# Altium PCB BGA_ACUity.PcbDoc (part 2 of 6)
Units mm, origin at the board's own origin, x right, y up, seen from the top; angles counter-clockwise.
Board outline 100 x 100.02 mm, 4 copper layers (TopSignal, Ground, Power, BottomSignal), stack 1.564 mm thick; 445 components, 325 nets, 2065 pads, 376 vias.
Unrouted connection lines stored in the file: 419.
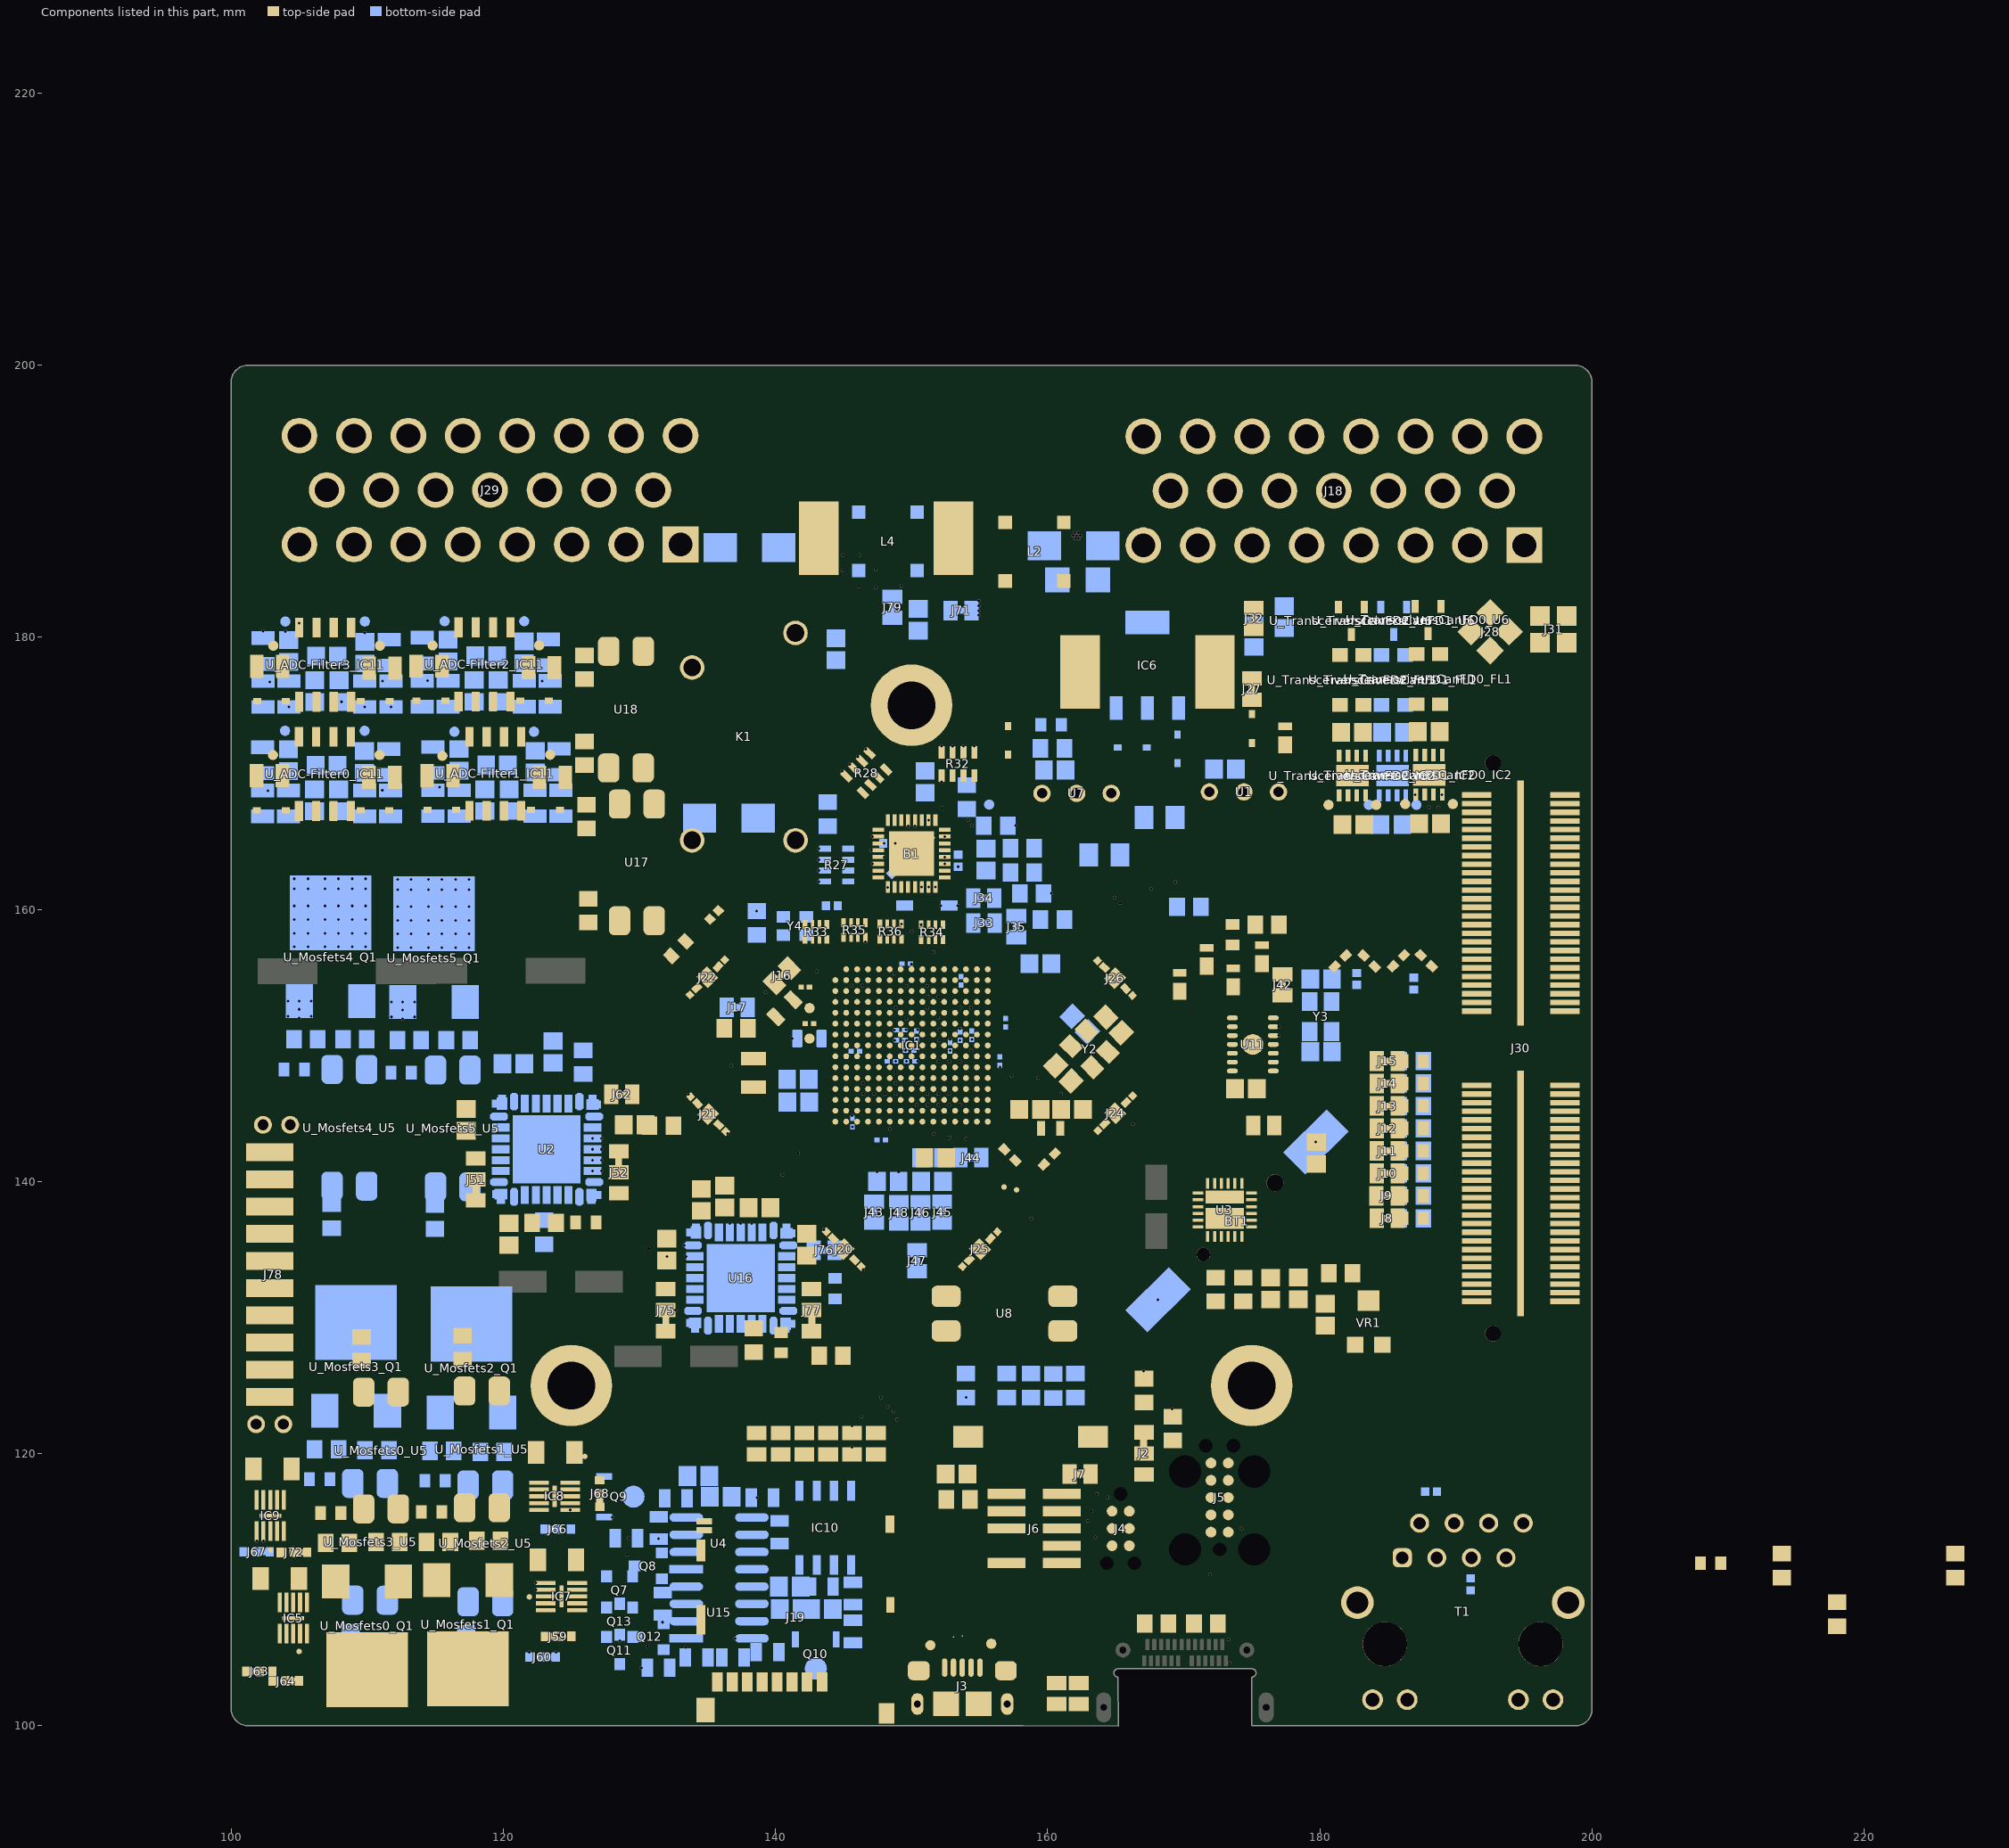
[diagram p4: the components of this part, seen from the top]

## Components (designator, comment, footprint, x,y, rotation, side; value= is the part's Value field where it differs from the comment) (continued)
J45 "A solder Bridge" "Solder Bridge 805" 152.25,137.75 r270 bottom
J46 "A solder Bridge" "Solder Bridge 805" 150.65,137.7 r90 bottom
J47 "A solder Bridge" "Solder Bridge 805" 150.4,134.175 r90 bottom
J48 "A solder Bridge" "Solder Bridge 805" 149.075,137.7 r90 bottom
J49 "A solder Bridge" "Solder Bridge 805 Open" 175.877,144.123 r0 top
J51 "A solder Bridge" "Solder Bridge 805 switch" 118,139.375 r90 top
J52 "A solder Bridge" "Solder Bridge 805 switch" 128.475,141.449 r270 top
J53 "A solder Bridge" "Solder Bridge 805 Open" 147.375,120.725 r90 top
J54 "A solder Bridge" "Solder Bridge 805 Open" 145.625,120.725 r90 top
J55 "A solder Bridge" "Solder Bridge 805 Open" 143.875,120.725 r90 top
J56 "A solder Bridge" "Solder Bridge 805 Open" 142.125,120.725 r90 top
J57 "A solder Bridge" "Solder Bridge 805 Open" 140.375,120.725 r90 top
J58 "A solder Bridge" "Solder Bridge 805 Open" 138.625,120.725 r90 top
J59 "A solder Bridge" "Solder Bridge 402 switch" 124.06,105.283 r0 top
J60 "A solder Bridge" "Solder Bridge 402 switch" 122.86,103.759 r180 bottom
J62 "A solder Bridge" "Solder Bridge 805" 128.7,146.4 r180 top
J63 "A solder Bridge" "Solder Bridge 402 switch" 102.11,102.707 r0 top
J64 "A solder Bridge" "Solder Bridge 402 switch" 103.992,104.588 r180 top
J66 "A solder Bridge" "Solder Bridge 402 switch" 124.028,115.748 r0 bottom
J67 "A solder Bridge" "Solder Bridge 402 switch" 101.852,111.49 r180 bottom
J68 "A solder Bridge" "Solder Bridge 402 switch" 128.383,117.099 r90 top
J69 "10 MΩ" "Solder Bridge 805 Open" 162.287,102.375 r90 top
J70 "47 nF" "Solder Bridge 805 Open" 160.669,102.375 r90 top
J71 "A solder Bridge" "Solder Bridge 805" 153.641,181.961 r0 bottom
J72 "A solder Bridge" "Solder Bridge 402 switch" 104.586,114.036 r180 top
J75 "A solder Bridge" "Solder Bridge 805 switch" 131.95,129.775 r90 top
J76 "A solder Bridge" "Solder Bridge 805" 143.575,134.95 r180 bottom
J77 "A solder Bridge" "Solder Bridge 805 switch" 142.675,129.775 r90 top
J78 "UMPS-10-05.5-G-V-S-W-TR" SAMTEC_UMPS-10-05.5-G-V-S-W-TR 102.845,133.163 r270 top
J79 "A solder Bridge" "Solder Bridge 805" 148.59,182.194 r270 bottom
K1 "T77S1D3-05" RELAY4_1-1393194-0_TEC 141.52,165.075 r90 bottom
L1 "5.6uH, 8.7A" WE-PD_1280 167.335,177.444 r270 top
L2 "IND_LPD6235" IND_LPD6235 158.902,186.284 r0 top
L3 "5.6uH, 8.7A" WE-PD_1280 148.133,187.274 r270 top locked
L4 "IND_LPD6235" IND_LPD6235 148.387,187.046 r180 bottom
MTH1 "Mounting_Hole_3.5mm" Mounting_Hole_3.5mm 150,175 r0 top
MTH2 "Mounting_Hole_3.5mm" Mounting_Hole_3.5mm 125,125 r0 top
MTH3 "Mounting_Hole_3.5mm" Mounting_Hole_3.5mm 175,125 r0 top
Q7 "MMBTA42LT1G" ONSC-SOT-23-3-318-08_V 128.549,109.975 r270 bottom
Q8 "MMBT4403LT1G" ONSC-SOT-23-3-318-08_V 130.65,111.753 r180 bottom
Q9 "VN3205" FP-TN2510N8-G-IPC_C 129.253,116.833 r0 bottom
Q10 "VN3205" FP-TN2510N8-G-IPC_C 142.969,104.514 r270 bottom
Q11 "MMBTA42LT1G" ONSC-SOT-23-3-318-08_V 128.549,105.53 r270 bottom
Q12 "MMBT4403LT1G" ONSC-SOT-23-3-318-08_V 130.777,106.546 r180 bottom
Q13 "MMBTA42LT1G" ONSC-SOT-23-3-318-08_V 128.549,107.689 r270 bottom
R1 "10k" "RES 0805_2012" 167.081,124.638 r90 top value="10 kOhms"
R2 "5.1 kOhms" "RES 0805_2012" 168,107.5 r0 top
R3 "1.5k" "RES 0805_2012" 169.189,121.844 r270 top value="1.5 kOhms"
R4 "5.1 kOhms" "RES 0805_2012" 171.628,107.518 r180 top
R5 "4.7k" "RES 0805_2012" 153.416,116.637 r180 top value="4.7 kOhms"
R6 "30k" "RES 0805_2012" 156.993,125 r270 bottom value="30 kOhms"
R7 "150" "RES 0805_2012" 154,125 r270 bottom value="150 Ohms"
R8 "150" "RES 0805_2012" 158.786,125 r270 bottom value="150 Ohms"
R9 "150" "RES 0805_2012" 160.413,124.967 r270 bottom value="150 Ohms"
R10 "150" "RES 0805_2012" 162.036,125 r270 bottom value="150 Ohms"
R11 "LEDS" "RES 0805_2012" 186.723,137.297 r180 bottom
R12 "LEDS" "RES 0805_2012" 186.723,138.948 r180 bottom
R13 "LEDS" "RES 0805_2012" 186.723,140.599 r180 bottom
R14 "LEDS" "RES 0805_2012" 186.723,142.25 r180 bottom
R15 "LEDS" "RES 0805_2012" 186.723,143.901 r180 bottom
R16 "LEDS" "RES 0805_2012" 186.723,145.552 r180 bottom
R17 "LEDS" "RES 0805_2012" 186.723,147.203 r180 bottom
R18 "LEDS" "RES 0805_2012" 186.723,148.854 r180 bottom
R19 "10 kOhms" "RES 0805_2012" 158.144,162.7 r180 bottom
R20 "1 kOhms" "RES 0805_2012" 158.14,164.49 r180 bottom
R21 "49.9 Ohms" "RES 0402_1005" 185.775,156.225 r45 top
R22 "49.9 Ohms" "RES 0402_1005" 187.825,156.225 r135 top
R23 "49.9 Ohms" "RES 0402_1005" 183.625,156.2 r135 top
R24 "49.9 Ohms" "RES 0402_1005" 181.5,156.2 r45 top
R25 "1 kOhms" "RES 0805_2012" 158.825,161.175 r0 bottom
R26 "1 kOhms" "RES 0805_2012" 143.85,167 r270 bottom
R27 "10k" "RESNET 1206-8 CONVEX" 144.5,163.25 r0 bottom
R28 "10k" "RESNET 1206-8 CONVEX" 146.675,170.025 r135 top
R29 "1 kOhms" "RES 0805_2012" 138.625,159 r270 bottom
R30 "18.2 kOhms" "RES 0805_2012" 154.05,168.25 r90 bottom
R31 "1.82 kOhms" "RES 0805_2012" 156.191,166.157 r180 bottom
R32 "10k" "RESNET 1206-8 CONVEX" 153.416,170.688 r270 top
R33 "33R" "RESNET 0804-8 CONVEX" 142.975,158.345 r270 top
R34 "33R" "RESNET 0804-8 CONVEX" 151.507,158.327 r270 top
R35 "33R" "RESNET 0804-8 CONVEX" 145.804,158.484 r270 top
R36 "33R" "RESNET 0804-8 CONVEX" 148.463,158.369 r270 top
R37 "1 kOhms" "RES 0805_2012" 176.121,158.864 r180 top
R38 "10 kOhms" "RES 0805_2012" 160.35,159.25 r180 bottom
R39 "4.7k" "RES 0805_2012" 123,136.275 r270 bottom value="4.7 kOhms"
R40 "1 kOhms" "RES 0805_2012" 170.383,160.198 r180 bottom
R41 "16 mOhms" "RES 1206_3216" 123.952,112.192 r0 top
R42 "4.7k" "RES 0805_2012" 125.875,148.767 r90 bottom value="4.7 kOhms"
R43 "4.7k" "RES 0805_2012" 123,136.95 r180 top value="4.7 kOhms"
R47 "LEDS" "RES 0805_2012" 137.109,151.257 r0 top
R48 "2.2 kOhms" "RES 0402_1005" 157.225,141.95 r315 top
R49 "2.2 kOhms" "RES 0402_1005" 160.125,141.65 r225 top
R50 "1 kOhms" "RES 0805_2012" 160.35,171.831 r180 bottom
R51 "10 kOhms" "RES 0805_2012" 181.534,133.256 r0 top
R52 "470" RESC2013X50X30LL20T20 139.04,116.764 r0 bottom
R53 "16 mOhms" "RES 1206_3216" 103.581,110.82 r0 top
R54 "16 mOhms" "RES 1206_3216" 123.825,120.091 r180 top
R55 "16 mOhms" "RES 1206_3216" 103.045,118.872 r180 top
R56 "10 kOhms" "RES 0805_2012" 174.359,132.057 r90 top
R57 "10 kOhms" "RES 0805_2012" 226.683,111.771 r90 top
R58 "10 kOhms" "RES 0805_2012" 213.942,111.771 r90 top
R59 "1 MOhms" "RES 0805_2012" 218.001,108.202 r90 top
R68 "10 kOhms" "RES 0805_2012" 172.345,132.056 r90 top
R69 "4.7k" "RES 0805_2012" 131.625,144.114 r180 top value="4.7 kOhms"
R70 "10k" RESC2013X50X30LL20T20 131.412,114.547 r90 bottom
R71 "10k" RESC2013X50X30LL20T20 132.682,116.706 r0 bottom
R72 "10k" RESC2013X50X30LL20T20 129.057,113.785 r0 bottom
R73 "4.3" RESC2013X50X30LL20T20 140.302,114.229 r270 bottom
R74 "10k" RESC2013X50X30LL20T20 139.413,105.403 r180 bottom
R75 "10k" RESC2013X50X30LL20T20 136.873,105.022 r180 bottom
R76 "10K" RESC2013X50X30LL20T20 145.694,106.927 r90 bottom
R77 "10k" RESC2013X50X30LL20T20 131.724,108.959 r270 bottom
R78 "4.3" RESC2013X50X30LL20T20 134.206,105.022 r0 bottom
R79 "10K" RESC2013X50X30LL20T20 145.694,109.721 r90 bottom
R80 "10k" RESC2013X50X30LL20T20 131.412,104.26 r180 bottom
R89 "4.7k" "RES 0805_2012" 144.083,127.189 r180 top value="4.7 kOhms"
R90 "4.7k" "RES 0805_2012" 138.409,128.337 r90 top value="4.7 kOhms"
R92 "10 kOhms" "RES 0805_2012" 126.238,159.907 r270 top
R93 "10 kOhms" "RES 0805_2012" 125.974,171.471 r270 top
R94 "1 kOhms" "RES 0805_2012" 126.111,166.827 r90 top
R95 "1 kOhms" "RES 0805_2012" 125.974,177.795 r90 top
S1 "1437566-4" 14375664 158.75,121.25 r0 top
T1 "74990111215A" 74990111215A 190.5,106 r0 top
TP1 "TestPad" "Test Pad Small"#1 155.86,106.033 r90 top
TP2 "TestPad" "Test Pad Miniscule" 153.727,106.602 r90 top
TP3 "TestPad" "Test Pad Miniscule" 153.087,106.52 r90 top
TP4 "TestPad" "Test Pad Small"#1 151.384,105.918 r90 top
TP14 "TestPad" "Test Pad Small"#2 155.7,167.7 r90 top
TP15 "TestPad" "Test Pad Small"#1 142.5,150.507 r90 top
TP16 "TestPad" "Test Pad Small"#1 142.5,152.744 r90 top
TP17 "TestPad" "Test Pad Extra Small"#1 121.92,109.474 r90 top
TP20 "TestPad" "Test Pad Extra Small"#2 104.553,105.462 r180 top
TP23 "TestPad" "Test Pad Extra Small"#1 125.998,119.794 r270 top
TP24 "TestPad" "Test Pad Extra Small"#1 102.912,112.912 r90 top
TP26 "TestPad" "Test Pad Extra Small"#1 157.717,139.385 r90 top
TP28 "TestPad" "Test Pad Extra Small"#1 156.794,139.598 r90 top
U1 "TSR 1-2450" TSR1-SINGLE_TRP 176.962,168.631 r180 top locked
U2 "MC33926PNBR2" PQFN80P525X800X100_HS-29N 123.19,142.367 r270 bottom
U3 "PTPS259830LNRGER" VQFN24_RGE_TEX 173.011,137.904 r180 top
U4 "NE555DR" FP-D0008A-IPC_A 135.857,113.404 r0 bottom
U7 "TSR 1-2450" TSR1-SINGLE_TRP 164.668,168.529 r180 top locked
U8 "PC817" PC817 156.829,130.295 r0 top
U11 "MCP2515_1" MCP2515 177.386,147.433 r180 top
U15 "NE555DR" FP-D0008A-IPC_A 135.857,108.324 r0 bottom
U16 "MC33926PNBR2" PQFN80P525X800X100_HS-29N 137.45,132.9 r270 bottom
U17 "PC817" PC817 129.819,163.449 r270 top
U18 "PC817" PC817 129.019,174.682 r270 top
U_ADC-Filter0_C78 "0.047µF" "CAP 0805_2012"#1 107.906,168.007 r270 bottom (schematic designator C78)
U_ADC-Filter0_C79 "0.047µF" "CAP 0805_2012"#1 104.223,170.966 r90 bottom (schematic designator C79)
U_ADC-Filter0_C80 "0.047µF" "CAP 0805_2012"#1 109.811,170.839 r90 bottom (schematic designator C80)
U_ADC-Filter0_C81 "0.1uF" "CAP 0805_2012"#1 107.017,170.585 r180 bottom value=100nF (schematic designator C81)
U_ADC-Filter0_C88 "0.047µF" "CAP 0805_2012"#1 106.128,168.007 r270 bottom (schematic designator C88)
U_ADC-Filter0_D22 "1N4148WS-7-F" DIOD-SOD323-2-A_V 110.573,167.283 r180 top (schematic designator D22)
U_ADC-Filter0_D23 "1N4148WS-7-F" DIOD-SOD323-2-A_V 102.953,167.283 r0 top (schematic designator D23)
U_ADC-Filter0_IC11 "MCP6052-E_SN" SOIC127P600X175-8N 106.89,169.95 r90 top (schematic designator IC11)
U_ADC-Filter0_R81 "R0805" RES_0805 111.081,169.696 r180 top (schematic designator R81)
U_ADC-Filter0_R82 "R0805" RES_0805 102.826,169.823 r180 top (schematic designator R82)
U_ADC-Filter0_R83 "R0805" RES_0805 109.811,167.791 r270 bottom (schematic designator R83)
U_ADC-Filter0_R84 "R0805" RES_0805 104.223,167.791 r90 bottom (schematic designator R84)
U_ADC-Filter0_R85 "R0805" RES_0805 111.716,167.791 r90 bottom (schematic designator R85)
U_ADC-Filter0_R86 "R0805" RES_0805 111.589,170.839 r90 bottom (schematic designator R86)
U_ADC-Filter0_R87 "R0805" RES_0805 102.318,170.966 r270 bottom (schematic designator R87)
U_ADC-Filter0_R88 "R0805" RES_0805 102.318,167.791 r90 bottom (schematic designator R88)
U_ADC-Filter0_TP29 "TestPad" "Test Pad Small"#1 109.811,173.125 r90 bottom (schematic designator TP29)
U_ADC-Filter0_TP30 "TestPad" "Test Pad Small"#1 103.969,173.125 r90 bottom (schematic designator TP30)
U_ADC-Filter0_TP31 "TestPad" "Test Pad Small"#2 110.917,171.347 r90 bottom locked (schematic designator TP31)
U_ADC-Filter0_TP32 "TestPad" "Test Pad Small"#1 103.08,171.347 r90 top (schematic designator TP32)
U_ADC-Filter1_C78 "0.047µF" "CAP 0805_2012"#1 120.435,168.024 r270 bottom (schematic designator C78)
U_ADC-Filter1_C79 "0.047µF" "CAP 0805_2012"#1 116.752,170.983 r90 bottom (schematic designator C79)
U_ADC-Filter1_C80 "0.047µF" "CAP 0805_2012"#1 122.34,170.856 r90 bottom (schematic designator C80)
U_ADC-Filter1_C81 "0.1uF" "CAP 0805_2012"#1 119.546,170.602 r180 bottom value=100nF (schematic designator C81)
U_ADC-Filter1_C88 "0.047µF" "CAP 0805_2012"#1 118.657,168.024 r270 bottom (schematic designator C88)
U_ADC-Filter1_D22 "1N4148WS-7-F" DIOD-SOD323-2-A_V 123.102,167.3 r180 top (schematic designator D22)
U_ADC-Filter1_D23 "1N4148WS-7-F" DIOD-SOD323-2-A_V 115.482,167.3 r0 top (schematic designator D23)
U_ADC-Filter1_IC11 "MCP6052-E_SN" SOIC127P600X175-8N 119.419,169.967 r90 top (schematic designator IC11)
U_ADC-Filter1_R81 "R0805" RES_0805 123.61,169.713 r180 top (schematic designator R81)
U_ADC-Filter1_R82 "R0805" RES_0805 115.355,169.84 r180 top (schematic designator R82)
U_ADC-Filter1_R83 "R0805" RES_0805 122.34,167.808 r270 bottom (schematic designator R83)
U_ADC-Filter1_R84 "R0805" RES_0805 116.752,167.808 r90 bottom (schematic designator R84)
U_ADC-Filter1_R85 "R0805" RES_0805 124.245,167.808 r90 bottom (schematic designator R85)
U_ADC-Filter1_R86 "R0805" RES_0805 124.118,170.856 r90 bottom (schematic designator R86)
U_ADC-Filter1_R87 "R0805" RES_0805 114.847,170.983 r270 bottom (schematic designator R87)
U_ADC-Filter1_R88 "R0805" RES_0805 114.847,167.808 r90 bottom (schematic designator R88)
U_ADC-Filter1_TP29 "TestPad" "Test Pad Small"#1 122.257,173.059 r90 bottom locked (schematic designator TP29)
U_ADC-Filter1_TP30 "TestPad" "Test Pad Small"#1 116.415,173.059 r90 bottom locked (schematic designator TP30)
U_ADC-Filter1_TP31 "TestPad" "Test Pad Small"#2 123.446,171.364 r90 bottom (schematic designator TP31)
U_ADC-Filter1_TP32 "TestPad" "Test Pad Small"#1 115.526,171.281 r90 top locked (schematic designator TP32)
U_ADC-Filter2_C78 "0.047µF" "CAP 0805_2012"#1 119.634,176.058 r270 bottom (schematic designator C78)
U_ADC-Filter2_C79 "0.047µF" "CAP 0805_2012"#1 115.951,179.017 r90 bottom (schematic designator C79)
U_ADC-Filter2_C80 "0.047µF" "CAP 0805_2012"#1 121.539,178.89 r90 bottom (schematic designator C80)
U_ADC-Filter2_C81 "0.1uF" "CAP 0805_2012"#1 118.745,178.636 r180 bottom value=100nF (schematic designator C81)
U_ADC-Filter2_C88 "0.047µF" "CAP 0805_2012"#1 117.856,176.058 r270 bottom (schematic designator C88)
U_ADC-Filter2_D22 "1N4148WS-7-F" DIOD-SOD323-2-A_V 122.301,175.334 r180 top (schematic designator D22)
U_ADC-Filter2_D23 "1N4148WS-7-F" DIOD-SOD323-2-A_V 114.681,175.334 r0 top (schematic designator D23)
U_ADC-Filter2_IC11 "MCP6052-E_SN" SOIC127P600X175-8N 118.618,178.001 r90 top (schematic designator IC11)
U_ADC-Filter2_R81 "R0805" RES_0805 122.809,177.747 r180 top (schematic designator R81)
U_ADC-Filter2_R82 "R0805" RES_0805 114.554,177.874 r180 top (schematic designator R82)
U_ADC-Filter2_R83 "R0805" RES_0805 121.539,175.842 r270 bottom (schematic designator R83)
U_ADC-Filter2_R84 "R0805" RES_0805 115.951,175.842 r90 bottom (schematic designator R84)
U_ADC-Filter2_R85 "R0805" RES_0805 123.444,175.842 r90 bottom (schematic designator R85)
U_ADC-Filter2_R86 "R0805" RES_0805 123.317,178.89 r90 bottom (schematic designator R86)
U_ADC-Filter2_R87 "R0805" RES_0805 114.046,179.017 r270 bottom (schematic designator R87)
U_ADC-Filter2_R88 "R0805" RES_0805 114.046,175.842 r90 bottom (schematic designator R88)
U_ADC-Filter2_TP29 "TestPad" "Test Pad Small"#1 121.539,181.176 r90 bottom (schematic designator TP29)
U_ADC-Filter2_TP30 "TestPad" "Test Pad Small"#1 115.697,181.176 r90 bottom (schematic designator TP30)
U_ADC-Filter2_TP31 "TestPad" "Test Pad Small"#2 122.645,179.398 r90 bottom (schematic designator TP31)
U_ADC-Filter2_TP32 "TestPad" "Test Pad Small"#1 114.808,179.398 r90 top (schematic designator TP32)
U_ADC-Filter3_C78 "0.047µF" "CAP 0805_2012"#1 107.93,176.038 r270 bottom locked (schematic designator C78)
U_ADC-Filter3_C79 "0.047µF" "CAP 0805_2012"#1 104.247,178.997 r90 bottom locked (schematic designator C79)
U_ADC-Filter3_C80 "0.047µF" "CAP 0805_2012"#1 109.835,178.87 r90 bottom locked (schematic designator C80)
U_ADC-Filter3_C81 "0.1uF" "CAP 0805_2012"#1 107.041,178.616 r180 bottom locked value=100nF (schematic designator C81)
U_ADC-Filter3_C88 "0.047µF" "CAP 0805_2012"#1 106.152,176.038 r270 bottom locked (schematic designator C88)
U_ADC-Filter3_D22 "1N4148WS-7-F" DIOD-SOD323-2-A_V 110.597,175.314 r180 top locked (schematic designator D22)
U_ADC-Filter3_D23 "1N4148WS-7-F" DIOD-SOD323-2-A_V 102.977,175.314 r0 top locked (schematic designator D23)
U_ADC-Filter3_IC11 "MCP6052-E_SN" SOIC127P600X175-8N 106.914,177.981 r90 top locked (schematic designator IC11)
U_ADC-Filter3_R81 "R0805" RES_0805 111.105,177.727 r180 top locked (schematic designator R81)
U_ADC-Filter3_R82 "R0805" RES_0805 102.85,177.854 r180 top locked (schematic designator R82)
U_ADC-Filter3_R83 "R0805" RES_0805 109.835,175.822 r270 bottom locked (schematic designator R83)
U_ADC-Filter3_R84 "R0805" RES_0805 104.247,175.822 r90 bottom locked (schematic designator R84)
U_ADC-Filter3_R85 "R0805" RES_0805 111.74,175.822 r90 bottom locked (schematic designator R85)
U_ADC-Filter3_R86 "R0805" RES_0805 111.613,178.87 r90 bottom locked (schematic designator R86)
U_ADC-Filter3_R87 "R0805" RES_0805 102.342,178.997 r270 bottom locked (schematic designator R87)
U_ADC-Filter3_R88 "R0805" RES_0805 102.342,175.822 r90 bottom locked (schematic designator R88)
U_ADC-Filter3_TP29 "TestPad" "Test Pad Small"#1 109.835,181.156 r90 bottom locked (schematic designator TP29)
U_ADC-Filter3_TP30 "TestPad" "Test Pad Small"#1 103.993,181.156 r90 bottom locked (schematic designator TP30)
U_ADC-Filter3_TP31 "TestPad" "Test Pad Small"#3 110.851,179.124 r90 bottom locked (schematic designator TP31)
U_ADC-Filter3_TP32 "TestPad" "Test Pad Small"#1 103.104,179.378 r90 top locked (schematic designator TP32)
U_Mosfets0_D16 "RED" LED_0603_RED 107.32,115.632 r180 top (schematic designator D16)
U_Mosfets0_Q1 "RJF0408JPD-01J3" DPAKS_SC-63_PRSS0004ZD-C_REN 109.995,106.607 r180 top (schematic designator Q1)
U_Mosfets0_R44 "0Ohms" "RES 0805_2012" 111.52,113.507 r0 top (schematic designator R44)
U_Mosfets0_R45 "10 kOhms" "RES 0805_2012" 109.595,127.707 r270 top (schematic designator R45)
U_Mosfets0_R46 "10 kOhms" "RES 0805_2012" 107.82,113.432 r0 top (schematic designator R46)
U_Mosfets0_U5 "PC817" PC817 111.02,120.232 r270 top (schematic designator U5)
U_Mosfets1_D16 "RED" LED_0603_RED 114.736,115.717 r180 top (schematic designator D16)
U_Mosfets1_Q1 "RJF0408JPD-01J3" DPAKS_SC-63_PRSS0004ZD-C_REN 117.411,106.692 r180 top (schematic designator Q1)
U_Mosfets1_R44 "0Ohms" "RES 0805_2012" 118.936,113.592 r0 top (schematic designator R44)
U_Mosfets1_R45 "10 kOhms" "RES 0805_2012" 117.011,127.792 r270 top (schematic designator R45)
U_Mosfets1_R46 "10 kOhms" "RES 0805_2012" 115.236,113.517 r0 top (schematic designator R46)